# KiCad board Kanagawa_rgb_ansi_pico.kicad_pcb
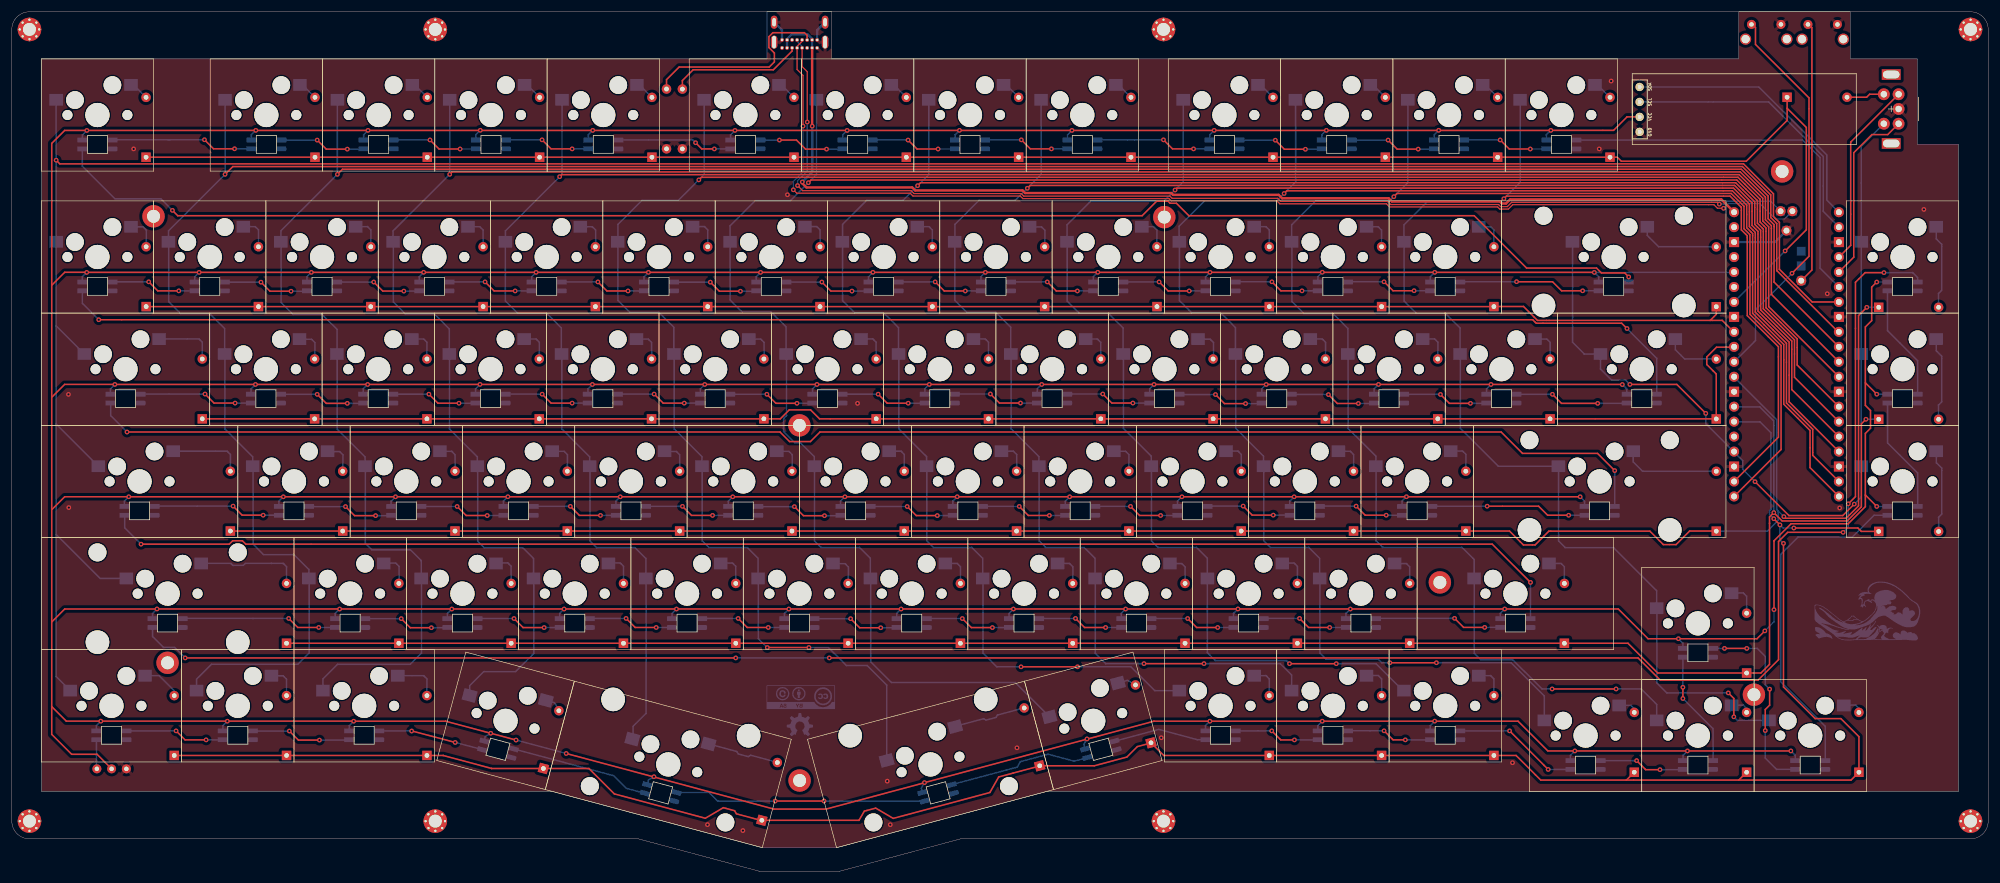
[diagram p0: board, top side]
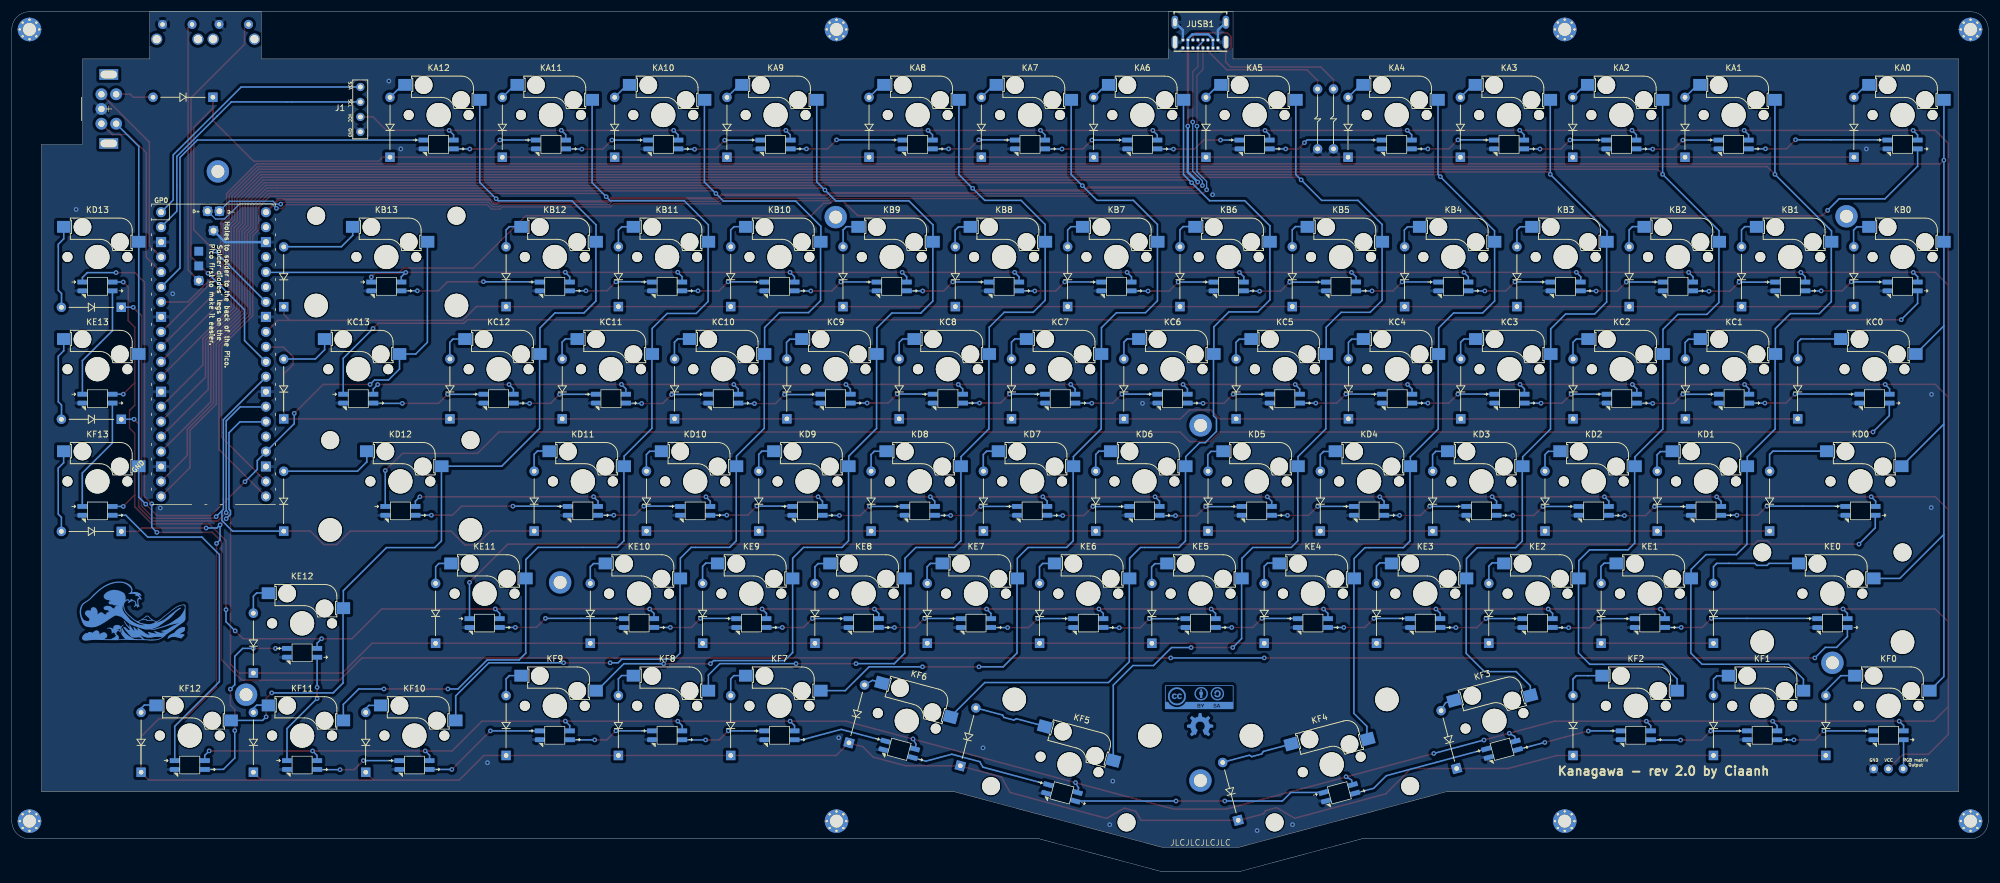
[diagram p1: board, bottom side, seen from below]

Outline 335.23 x 145.9 mm; copper layers: Top, Bottom. Coordinates in mm from the lower left corner of the outline.
Outline path: 0,142.9 arc(0.88,145.02) 3,145.9 332.23,145.9 arc(334.35,145.02) 335.23,142.9 335.23,8.5 arc(334.35,6.38) 332.23,5.5 160.94,5.5 140.42,0 126.76,0 106.23,5.5 3,5.5 arc(0.88,6.38) 0,8.5 0,142.9 ; 5,137.9 128.09,137.9 128.09,145.9 139.09,145.9 139.09,137.9 292.9,137.9 292.9,145.9 311.83,145.9 311.83,137.9 323.23,137.9 323.23,123.4 330.23,123.4 330.23,13.5 175.34,13.5 139.89,4 127.29,4 91.83,13.5 5,13.5 5,137.9
Stack: Top 0.035mm / dielectric 1.51mm FR4 er 4.5 / Bottom 0.035mm

## Placement (name value [footprint] x y rotation side)
DA0  D  [Diode_THT]  24.04 120.11 90 top
DA1  D  [Diode_THT]  52.69 120.11 90 top
DA2  D  [Diode_THT]  71.74 120.11 90 top
DA3  D  [Diode_THT]  90.79 120.11 90 top
DA4  D  [Diode_THT]  109.84 120.11 90 top
DA5  D  [Diode_THT]  133.94 120.11 90 top
DA6  D  [Diode_THT]  152.99 120.11 90 top
DA7  D  [Diode_THT]  172.04 120.11 90 top
DA8  D  [Diode_THT]  191.09 120.11 90 top
DA9  D  [Diode_THT]  215.19 120.11 90 top
DA10  D  [Diode_THT]  234.24 120.11 90 top
DA11  D  [Diode_THT]  253.29 120.11 90 top
DA12  D  [Diode_THT]  272.34 120.11 90 top
DA13  D  [Diode_THT]  300.01 130.13 0 top
DB0  D  [Diode_THT]  24.05 94.75 90 top
DB1  D  [Diode_THT]  43.1 94.75 90 top
DB2  D  [Diode_THT]  62.15 94.75 90 top
DB3  D  [Diode_THT]  81.2 94.75 90 top
DB4  D  [Diode_THT]  100.25 94.75 90 top
DB5  D  [Diode_THT]  119.3 94.75 90 top
DB6  D  [Diode_THT]  138.35 94.75 90 top
DB7  D  [Diode_THT]  157.4 94.75 90 top
DB8  D  [Diode_THT]  176.45 94.75 90 top
DB9  D  [Diode_THT]  195.5 94.75 90 top
DB10  D  [Diode_THT]  214.55 94.75 90 top
DB11  D  [Diode_THT]  233.6 94.75 90 top
DB12  D  [Diode_THT]  252.65 94.75 90 top
DB13  D  [Diode_THT]  290.37 94.73 90 top
DC0  D  [Diode_THT]  33.58 75.7 90 top
DC1  D  [Diode_THT]  52.62 75.7 90 top
DC2  D  [Diode_THT]  71.67 75.7 90 top
DC3  D  [Diode_THT]  90.72 75.7 90 top
DC4  D  [Diode_THT]  109.78 75.7 90 top
DC5  D  [Diode_THT]  128.82 75.7 90 top
DC6  D  [Diode_THT]  147.88 75.7 90 top
DC7  D  [Diode_THT]  166.93 75.7 90 top
DC8  D  [Diode_THT]  185.97 75.7 90 top
DC9  D  [Diode_THT]  205.03 75.7 90 top
DC10  D  [Diode_THT]  224.07 75.7 90 top
DC11  D  [Diode_THT]  243.12 75.7 90 top
DC12  D  [Diode_THT]  262.18 75.7 90 top
DC13  D  [Diode_THT]  290.37 75.68 90 top
DD0  D  [Diode_THT]  38.34 56.65 90 top
DD1  D  [Diode_THT]  57.39 56.65 90 top
DD2  D  [Diode_THT]  76.44 56.65 90 top
DD3  D  [Diode_THT]  95.49 56.65 90 top
DD4  D  [Diode_THT]  114.54 56.65 90 top
DD5  D  [Diode_THT]  133.59 56.65 90 top
DD6  D  [Diode_THT]  152.64 56.65 90 top
DD7  D  [Diode_THT]  171.69 56.65 90 top
DD8  D  [Diode_THT]  190.74 56.65 90 top
DD9  D  [Diode_THT]  209.79 56.65 90 top
DD10  D  [Diode_THT]  228.84 56.65 90 top
DD11  D  [Diode_THT]  247.89 56.65 90 top
DD12  D  [Diode_THT]  290.37 56.63 90 top
DD13  D  [Diode_THT]  315.55 94.47 0 top
DE0  D  [Diode_THT]  47.86 37.6 90 top
DE1  D  [Diode_THT]  66.91 37.6 90 top
DE2  D  [Diode_THT]  85.96 37.6 90 top
DE3  D  [Diode_THT]  105.01 37.6 90 top
DE4  D  [Diode_THT]  124.06 37.6 90 top
DE5  D  [Diode_THT]  143.11 37.6 90 top
DE6  D  [Diode_THT]  162.16 37.6 90 top
DE7  D  [Diode_THT]  181.21 37.6 90 top
DE8  D  [Diode_THT]  200.26 37.6 90 top
DE9  D  [Diode_THT]  219.31 37.6 90 top
DE10  D  [Diode_THT]  238.36 37.6 90 top
DE11  D  [Diode_THT]  264.61 37.6 90 top
DE12  D  [Diode_THT]  295.51 32.55 90 top
DE13  D  [Diode_THT]  315.55 75.46 0 top
DF0  D  [Diode_THT]  28.81 18.55 90 top
DF1  D  [Diode_THT]  47.86 18.55 90 top
DF2  D  [Diode_THT]  71.67 18.55 90 top
DF3  D  [Diode_THT]  91.1 16.05 75 top
DF4  D  [Diode_THT]  128.15 7.25 75 top
DF5  D  [Diode_THT]  175.85 17.16 105 top
DF6  D  [Diode_THT]  194.73 21.07 105 top
DF7  D  [Diode_THT]  214.55 18.55 90 top
DF8  D  [Diode_THT]  233.6 18.55 90 top
DF9  D  [Diode_THT]  252.65 18.55 90 top
DF10  D  [Diode_THT]  276.46 15.7 90 top
DF11  D  [Diode_THT]  295.51 15.7 90 top
DF12  D  [Diode_THT]  314.56 15.7 90 top
DF13  D  [Diode_THT]  315.55 56.42 0 top
G***  oshw_logo  [oshw]  133.67 24.87 180 bottom
G***#2  cc_logo  [cc]  133.82 29.56 180 bottom
J1  Oled128x32  [OLED_128x32_I2C]  274.85 135.37 0 top
J4  Conn_01x03  [conn_3pins]  16.93 17.38 0 top
JUSB1  USB Port  [GCT_USB4085-GF-A_REVA4]  133.62 143.79 0 bottom
KA0  KEY_SW  [SW_Cherry_MX_1.00u_SK6812MINI-E_Hotswap]  5 137.9 0 top
KA1  KEY_SW  [SW_Cherry_MX_1.00u_SK6812MINI-E_Hotswap]  33.65 137.9 0 top
KA2  KEY_SW  [SW_Cherry_MX_1.00u_SK6812MINI-E_Hotswap]  52.7 137.9 0 top
KA3  KEY_SW  [SW_Cherry_MX_1.00u_SK6812MINI-E_Hotswap]  71.75 137.9 0 top
KA4  KEY_SW  [SW_Cherry_MX_1.00u_SK6812MINI-E_Hotswap]  90.8 137.9 0 top
KA5  KEY_SW  [SW_Cherry_MX_1.00u_SK6812MINI-E_Hotswap]  114.9 137.9 0 top
KA6  KEY_SW  [SW_Cherry_MX_1.00u_SK6812MINI-E_Hotswap]  133.95 137.9 0 top
KA7  KEY_SW  [SW_Cherry_MX_1.00u_SK6812MINI-E_Hotswap]  153 137.9 0 top
KA8  KEY_SW  [SW_Cherry_MX_1.00u_SK6812MINI-E_Hotswap]  172.05 137.9 0 top
KA9  KEY_SW  [SW_Cherry_MX_1.00u_SK6812MINI-E_Hotswap]  196.15 137.9 0 top
KA10  KEY_SW  [SW_Cherry_MX_1.00u_SK6812MINI-E_Hotswap]  215.2 137.9 0 top
KA11  KEY_SW  [SW_Cherry_MX_1.00u_SK6812MINI-E_Hotswap]  234.25 137.9 0 top
KA12  KEY_SW  [SW_Cherry_MX_1.00u_SK6812MINI-E_Hotswap]  253.3 137.9 0 top
KB0  KEY_SW  [SW_Cherry_MX_1.00u_SK6812MINI-E_Hotswap]  5 113.8 0 top
KB1  KEY_SW  [SW_Cherry_MX_1.00u_SK6812MINI-E_Hotswap]  24.05 113.8 0 top
KB2  KEY_SW  [SW_Cherry_MX_1.00u_SK6812MINI-E_Hotswap]  43.1 113.8 0 top
KB3  KEY_SW  [SW_Cherry_MX_1.00u_SK6812MINI-E_Hotswap]  62.15 113.8 0 top
KB4  KEY_SW  [SW_Cherry_MX_1.00u_SK6812MINI-E_Hotswap]  81.2 113.8 0 top
KB5  KEY_SW  [SW_Cherry_MX_1.00u_SK6812MINI-E_Hotswap]  100.25 113.8 0 top
KB6  KEY_SW  [SW_Cherry_MX_1.00u_SK6812MINI-E_Hotswap]  119.3 113.8 0 top
KB7  KEY_SW  [SW_Cherry_MX_1.00u_SK6812MINI-E_Hotswap]  138.35 113.8 0 top
KB8  KEY_SW  [SW_Cherry_MX_1.00u_SK6812MINI-E_Hotswap]  157.4 113.8 0 top
KB9  KEY_SW  [SW_Cherry_MX_1.00u_SK6812MINI-E_Hotswap]  176.45 113.8 0 top
KB10  KEY_SW  [SW_Cherry_MX_1.00u_SK6812MINI-E_Hotswap]  195.5 113.8 0 top
KB11  KEY_SW  [SW_Cherry_MX_1.00u_SK6812MINI-E_Hotswap]  214.55 113.8 0 top
KB12  KEY_SW  [SW_Cherry_MX_1.00u_SK6812MINI-E_Hotswap]  233.6 113.8 0 top
KB13  KEY_SW  [SW_Cherry_MX_2.00u_SK6812MINI-E_Hotswap]  252.65 113.8 0 top
KC0  KEY_SW  [SW_Cherry_MX_1.50u_SK6812MINI-E_Hotswap]  5 94.75 0 top
KC1  KEY_SW  [SW_Cherry_MX_1.00u_SK6812MINI-E_Hotswap]  33.58 94.75 0 top
KC2  KEY_SW  [SW_Cherry_MX_1.00u_SK6812MINI-E_Hotswap]  52.62 94.75 0 top
KC3  KEY_SW  [SW_Cherry_MX_1.00u_SK6812MINI-E_Hotswap]  71.67 94.75 0 top
KC4  KEY_SW  [SW_Cherry_MX_1.00u_SK6812MINI-E_Hotswap]  90.72 94.75 0 top
KC5  KEY_SW  [SW_Cherry_MX_1.00u_SK6812MINI-E_Hotswap]  109.78 94.75 0 top
KC6  KEY_SW  [SW_Cherry_MX_1.00u_SK6812MINI-E_Hotswap]  128.82 94.75 0 top
KC7  KEY_SW  [SW_Cherry_MX_1.00u_SK6812MINI-E_Hotswap]  147.88 94.75 0 top
KC8  KEY_SW  [SW_Cherry_MX_1.00u_SK6812MINI-E_Hotswap]  166.93 94.75 0 top
KC9  KEY_SW  [SW_Cherry_MX_1.00u_SK6812MINI-E_Hotswap]  185.97 94.75 0 top
KC10  KEY_SW  [SW_Cherry_MX_1.00u_SK6812MINI-E_Hotswap]  205.03 94.75 0 top
KC11  KEY_SW  [SW_Cherry_MX_1.00u_SK6812MINI-E_Hotswap]  224.07 94.75 0 top
KC12  KEY_SW  [SW_Cherry_MX_1.00u_SK6812MINI-E_Hotswap]  243.12 94.75 0 top
KC13  KEY_SW  [SW_Cherry_MX_1.50u_SK6812MINI-E_Hotswap]  262.18 94.75 0 top
KD0  KEY_SW  [SW_Cherry_MX_1.75u_SK6812MINI-E_Hotswap]  5 75.7 0 top
KD1  KEY_SW  [SW_Cherry_MX_1.00u_SK6812MINI-E_Hotswap]  38.34 75.7 0 top
KD2  KEY_SW  [SW_Cherry_MX_1.00u_SK6812MINI-E_Hotswap]  57.39 75.7 0 top
KD3  KEY_SW  [SW_Cherry_MX_1.00u_SK6812MINI-E_Hotswap]  76.44 75.7 0 top
KD4  KEY_SW  [SW_Cherry_MX_1.00u_SK6812MINI-E_Hotswap]  95.49 75.7 0 top
KD5  KEY_SW  [SW_Cherry_MX_1.00u_SK6812MINI-E_Hotswap]  114.54 75.7 0 top
KD6  KEY_SW  [SW_Cherry_MX_1.00u_SK6812MINI-E_Hotswap]  133.59 75.7 0 top
KD7  KEY_SW  [SW_Cherry_MX_1.00u_SK6812MINI-E_Hotswap]  152.64 75.7 0 top
KD8  KEY_SW  [SW_Cherry_MX_1.00u_SK6812MINI-E_Hotswap]  171.69 75.7 0 top
KD9  KEY_SW  [SW_Cherry_MX_1.00u_SK6812MINI-E_Hotswap]  190.74 75.7 0 top
KD10  KEY_SW  [SW_Cherry_MX_1.00u_SK6812MINI-E_Hotswap]  209.79 75.7 0 top
KD11  KEY_SW  [SW_Cherry_MX_1.00u_SK6812MINI-E_Hotswap]  228.84 75.7 0 top
KD12  KEY_SW  [SW_Cherry_MX_2.25u_SK6812MINI-E_Hotswap]  247.89 75.7 0 top
KD13  KEY_SW  [SW_Cherry_MX_1.00u_SK6812MINI-E_Hotswap]  311.18 113.8 0 top
KE0  KEY_SW  [SW_Cherry_MX_2.25u_SK6812MINI-E_Hotswap]  5 56.65 0 top
KE1  KEY_SW  [SW_Cherry_MX_1.00u_SK6812MINI-E_Hotswap]  47.86 56.65 0 top
KE2  KEY_SW  [SW_Cherry_MX_1.00u_SK6812MINI-E_Hotswap]  66.91 56.65 0 top
KE3  KEY_SW  [SW_Cherry_MX_1.00u_SK6812MINI-E_Hotswap]  85.96 56.65 0 top
KE4  KEY_SW  [SW_Cherry_MX_1.00u_SK6812MINI-E_Hotswap]  105.01 56.65 0 top
KE5  KEY_SW  [SW_Cherry_MX_1.00u_SK6812MINI-E_Hotswap]  124.06 56.65 0 top
KE6  KEY_SW  [SW_Cherry_MX_1.00u_SK6812MINI-E_Hotswap]  143.11 56.65 0 top
KE7  KEY_SW  [SW_Cherry_MX_1.00u_SK6812MINI-E_Hotswap]  162.16 56.65 0 top
KE8  KEY_SW  [SW_Cherry_MX_1.00u_SK6812MINI-E_Hotswap]  181.21 56.65 0 top
KE9  KEY_SW  [SW_Cherry_MX_1.00u_SK6812MINI-E_Hotswap]  200.26 56.65 0 top
KE10  KEY_SW  [SW_Cherry_MX_1.00u_SK6812MINI-E_Hotswap]  219.31 56.65 0 top
KE11  KEY_SW  [SW_Cherry_MX_1.75u_SK6812MINI-E_Hotswap]  238.36 56.65 0 top
KE12  KEY_SW  [SW_Cherry_MX_1.00u_SK6812MINI-E_Hotswap]  276.46 51.6 0 top
KE13  KEY_SW  [SW_Cherry_MX_1.00u_SK6812MINI-E_Hotswap]  311.18 94.75 0 top
KF0  KEY_SW  [SW_Cherry_MX_1.25u_SK6812MINI-E_Hotswap]  5 37.6 0 top
KF1  KEY_SW  [SW_Cherry_MX_1.00u_SK6812MINI-E_Hotswap]  28.81 37.6 0 top
KF2  KEY_SW  [SW_Cherry_MX_1.25u_SK6812MINI-E_Hotswap]  47.86 37.6 0 top
KF3  KEY_SW  [SW_Cherry_MX_1.00u_SK6812MINI-E_Hotswap]  77.01 37.19 345 top
KF4  KEY_SW  [SW_Cherry_MX_2.00u_SK6812MINI-E_Hotswap_Reversed]  95.41 32.26 345 top
KF5  KEY_SW  [SW_Cherry_MX_2.00u_SK6812MINI-E_Hotswap_Reversed]  134.96 22.4 15 top
KF6  KEY_SW  [SW_Cherry_MX_1.00u_SK6812MINI-E_Hotswap]  171.76 32.26 15 top
KF7  KEY_SW  [SW_Cherry_MX_1.00u_SK6812MINI-E_Hotswap]  195.5 37.6 0 top
KF8  KEY_SW  [SW_Cherry_MX_1.00u_SK6812MINI-E_Hotswap]  214.55 37.6 0 top
KF9  KEY_SW  [SW_Cherry_MX_1.00u_SK6812MINI-E_Hotswap]  233.6 37.6 0 top
KF10  KEY_SW  [SW_Cherry_MX_1.00u_SK6812MINI-E_Hotswap]  257.41 32.55 0 top
KF11  KEY_SW  [SW_Cherry_MX_1.00u_SK6812MINI-E_Hotswap]  276.46 32.55 0 top
KF12  KEY_SW  [SW_Cherry_MX_1.00u_SK6812MINI-E_Hotswap]  295.51 32.55 0 top
KF13  KEY_SW  [SW_Cherry_MX_1.00u_SK6812MINI-E_Hotswap]  311.18 75.7 0 top
LogoMiddleBack  LOGO  [Wave_mask]  314.79 43.41 180 bottom
MountBaseTop1  MountingHoleBaseTop1  [MountingHole_2.2mm_M2_Pad_Via]  3 8.5 0 top
MountBaseTop2  MountingHoleBaseTop1  [MountingHole_2.2mm_M2_Pad_Via]  3 142.9 0 top
MountBaseTop3  MountingHoleBaseTop1  [MountingHole_2.2mm_M2_Pad_Via]  71.83 8.5 0 top
MountBaseTop4  MountingHoleBaseTop1  [MountingHole_2.2mm_M2_Pad_Via]  71.83 142.9 0 top
MountBaseTop5  MountingHoleBaseTop1  [MountingHole_2.2mm_M2_Pad_Via]  195.34 8.5 0 top
MountBaseTop6  MountingHoleBaseTop1  [MountingHole_2.2mm_M2_Pad_Via]  195.34 142.9 0 top
MountBaseTop7  MountingHoleBaseTop1  [MountingHole_2.2mm_M2_Pad_Via]  332.23 8.5 0 top
MountBaseTop8  MountingHoleBaseTop1  [MountingHole_2.2mm_M2_Pad_Via]  332.23 142.9 0 top
MountTopMiddle1  MountTopMiddle  [MountingHole_2.2mm_M2_Pad]  26.42 35.38 0 top
MountTopMiddle2  MountTopMiddle  [MountingHole_2.2mm_M2_Pad]  24.04 111.18 0 top
MountTopMiddle3  MountTopMiddle  [MountingHole_2.2mm_M2_Pad]  133.62 15.4 0 top
MountTopMiddle4  MountTopMiddle  [MountingHole_2.2mm_M2_Pad]  133.59 75.69 0 top
MountTopMiddle5  MountTopMiddle  [MountingHole_2.2mm_M2_Pad]  242.22 49.03 0 top
MountTopMiddle6  MountTopMiddle  [MountingHole_2.2mm_M2_Pad]  195.48 111.04 0 top
MountTopMiddle7  MountTopMiddle  [MountingHole_2.2mm_M2_Pad]  295.49 29.97 0 top
MountTopMiddle8  MountTopMiddle  [MountingHole_2.2mm_M2_Pad]  300.27 118.8 0 top
R1  5.1k  [Resistors_THT]  111.05 122.63 90 top
R2  5.1k  [Resistors_THT]  113.74 122.62 90 top
RSW0  -  [SW_RST]  297.57 143.76 0 top
RSW1  -  [SW_RST]  307.15 143.75 0 top
SWA13  Rotary_Encoder_Switch  [RotaryEncoder_EC11-Switch_Horizontal_H15mm]  318.77 129.4 0 top
U0  Pico  [RPi_Pico_TH]  311.51 113.25 180 bottom

## Library data of the parts
JUSB1 = -: MANUFACTURER: Global Connector Technology; MAXIMUM_PACKAGE_HEIGHT: 3.46mm; PARTREV: A4; STANDARD: Manufacturer Recommendations
KA0-KA12 KB0-KB12 KC1-KC12 KD1-KD11 KD13 KE1-KE10 KE12 KE13 KF1 KF3 KF6-KF13 = -: Field4: D?; Field5: SW_PUSH
KB13 KF4 KF5 = -: Field4: D?; Field5: D?
KC0 KC13 KD0 KD12 KE0 KE11 KF0 KF2 = -: Field4: D?
U0 = -: Description: RP2040 microcontroller chip designed by Raspberry Pi in the United Kingdom 2  SPI, 2  I2C, 2  UART, 3  12-bit ADC, 16  controllable PWM channels; Height: 1; Manufacturer_Name: RASPBERRY-PI; Manufacturer_Part_Number: PICO

## Footprints (pads in the part's own frame, mm; a bottom-side part is the same pattern mirrored in y, then rotated)
conn_3pins
  round 1.524 hole 0.762: 1(-2.5,0) 2(0,0) 3(2.5,0)
Diode_THT
  rect 1.6x1.6 hole 0.8: 1(1.1,1.263)
  oval 1.6x1.6 hole 0.8: 2(11.26,1.263)
GCT_USB4085-GF-A_REVA4
  round 0.65 hole 0.4: A1(-2.975,4.025) A4(-2.125,4.025) A5(-1.275,4.025) A6(-0.425,4.025) A7(0.425,4.025) A8(1.275,4.025) A9(2.125,4.025) A12(2.975,4.025) B1(2.975,2.675) B4(2.125,2.675) B5(1.275,2.675) B6(0.425,2.675) B7(-0.425,2.675) B8(-1.275,2.675) B9(-2.125,2.675) B12(-2.975,2.675)
  oval 1.108x2.216 hole 0.6x2.1: P1(-4.325,3.045) P2(4.325,3.045)
  oval 1.108x2.216 hole 0.6x1.4: P3(4.325,-0.335) P4(-4.325,-0.335)
MountingHole_2.2mm_M2_Pad
  round 3.8 hole 2.2: 1(0,0)
MountingHole_2.2mm_M2_Pad_Via
  round 0.7 hole 0.4: 1(-1.65,0) 1(-1.167,1.167) 1(-1.167,-1.167) 1(0,1.65) 1(0,-1.65) 1(1.167,1.167) 1(1.167,-1.167) 1(1.65,0)
  round 4 hole 2.2: 1(0,0)
OLED_128x32_I2C
  round 1.397 hole 0.813: 1(1.25,-9.86) 2(1.25,-7.32) 3(1.25,-4.78) 4(1.25,-2.24)
Resistors_THT
  round 1.6 hole 0.8: 1(0,0)
  oval 1.6x1.6 hole 0.8: 2(10.16,0)
RotaryEncoder_EC11-Switch_Horizontal_H15mm
  round 2 hole 1.1: A(1.25,-2.5) B(1.25,2.5) C(1.25,0) S1(-1.25,2.5) S2(-1.25,-2.5)
  rect 3.2x1.8 hole 2.8x1.3: MP(0,5.85) MP(0,-5.85)
RPi_Pico_TH
  oval 1.7x1.7 hole 1.02: 1(1.61,-1.37) 2(1.61,-3.91) 4(1.61,-8.99) 5(1.61,-11.53) 6(1.61,-14.07) 7(1.61,-16.61) 9(1.61,-21.69) 10(1.61,-24.23) 11(1.61,-26.77) 12(1.61,-29.31) 14(1.61,-34.39) 15(1.61,-36.93) 16(1.61,-39.47) 17(1.61,-42.01) 19(1.61,-47.09) 20(1.61,-49.63) 21(19.39,-49.63) 22(19.39,-47.09) 24(19.39,-42.01) 25(19.39,-39.47) 26(19.39,-36.93) 27(19.39,-34.39) 29(19.39,-29.31) 30(19.39,-26.77) 31(19.39,-24.23) 32(19.39,-21.69) 34(19.39,-16.61) 35(19.39,-14.07) 36(19.39,-11.53) 37(19.39,-8.99) 39(19.39,-3.91) 40(19.39,-1.37)
  rect 1.7x1.7 hole 1.02: 3(1.61,-6.45) 8(1.61,-19.15) 13(1.61,-31.85) 18(1.61,-44.55) 23(19.39,-44.55) 28(19.39,-31.85) 33(19.39,-19.15) 38(19.39,-6.45)
  rect 1.5x1.5 smd: TP1(10.5,-4.5) TP2(11.5,-1.2) TP3(9.5,-1.2) TP4(8,-8) TP5(8,-10.5) TP6(8,-13)
  round 1.7 hole 1: TP1(10.5,-4.5) TP2(11.5,-1.2) TP3(9.5,-1.2) TP6(8,-13)
SW_Cherry_MX_1.00u_SK6812MINI-E_Hotswap
  round 1.7 hole 1.7 unplated: (4.445,-9.525) (14.605,-9.525)
  round 3 hole 3 unplated: (5.715,-6.985) (12.065,-4.445)
  round 4.1 hole 4.1 unplated: (9.525,-9.525)
  rect 2.3x2 smd far side: 1(2.525,-6.945) 2(15.225,-4.405)
  rect 1.7x0.82 smd far side: 3(6.975,-13.775) 4(6.975,-15.275) 6(12.075,-13.775)
  rrect 1.7x0.82 smd far side: 5(12.075,-15.275)
SW_Cherry_MX_1.25u_SK6812MINI-E_Hotswap
  round 1.7 hole 1.7 unplated: (6.826,-9.525) (16.986,-9.525)
  round 3 hole 3 unplated: (8.096,-6.985) (14.446,-4.445)
  round 4.1 hole 4.1 unplated: (11.906,-9.525)
  rect 2.3x2 smd far side: 1(4.906,-6.945) 2(17.606,-4.405)
  rect 1.7x0.82 smd far side: 3(9.356,-13.775) 4(9.356,-15.275) 6(14.456,-13.775)
  rrect 1.7x0.82 smd far side: 5(14.456,-15.275)
SW_Cherry_MX_1.50u_SK6812MINI-E_Hotswap
  round 1.7 hole 1.7 unplated: (9.207,-9.525) (19.367,-9.525)
  round 3 hole 3 unplated: (10.477,-6.985) (16.828,-4.445)
  round 4.1 hole 4.1 unplated: (14.287,-9.525)
  rect 2.3x2 smd far side: 1(7.287,-6.945) 2(19.988,-4.405)
  rect 1.7x0.82 smd far side: 3(11.738,-13.775) 4(11.738,-15.275) 6(16.837,-13.775)
  rrect 1.7x0.82 smd far side: 5(16.837,-15.275)
SW_Cherry_MX_1.75u_SK6812MINI-E_Hotswap
  round 1.7 hole 1.7 unplated: (11.589,-9.525) (21.749,-9.525)
  round 3 hole 3 unplated: (12.859,-6.985) (19.209,-4.445)
  round 4.1 hole 4.1 unplated: (16.669,-9.525)
  rect 2.3x2 smd far side: 1(9.669,-6.945) 2(22.369,-4.405)
  rect 1.7x0.82 smd far side: 3(14.119,-13.775) 4(14.119,-15.275) 6(19.219,-13.775)
  rrect 1.7x0.82 smd far side: 5(19.219,-15.275)
SW_Cherry_MX_2.00u_SK6812MINI-E_Hotswap
  round 3.05 hole 3.05 unplated: (7.15,-2.525) (30.95,-2.525)
  round 4 hole 4 unplated: (7.15,-17.765) (30.95,-17.765)
  round 1.7 hole 1.7 unplated: (13.97,-9.525) (24.13,-9.525)
  round 3 hole 3 unplated: (15.24,-6.985) (21.59,-4.445)
  round 4.1 hole 4.1 unplated: (19.05,-9.525)
  rect 2.3x2 smd far side: 1(12.05,-6.945) 2(24.75,-4.405)
  rect 1.7x0.82 smd far side: 3(16.5,-13.775) 4(16.5,-15.275) 6(21.6,-13.775)
  rrect 1.7x0.82 smd far side: 5(21.6,-15.275)
SW_Cherry_MX_2.00u_SK6812MINI-E_Hotswap_Reversed
  round 4 hole 4 unplated: (7.15,-1.29) (30.95,-1.29)
  round 3.05 hole 3.05 unplated: (7.15,-16.529) (30.95,-16.529)
  round 1.7 hole 1.7 unplated: (13.97,-9.525) (24.13,-9.525)
  round 3 hole 3 unplated: (15.24,-6.985) (21.59,-4.445)
  round 4.1 hole 4.1 unplated: (19.05,-9.525)
  rect 2.3x2 smd far side: 1(12.05,-6.945) 2(24.75,-4.405)
  rect 1.7x0.82 smd far side: 3(16.5,-13.775) 4(16.5,-15.275) 6(21.6,-13.775)
  rrect 1.7x0.82 smd far side: 5(21.6,-15.275)
SW_Cherry_MX_2.25u_SK6812MINI-E_Hotswap
  round 3.05 hole 3.05 unplated: (9.531,-2.525) (33.331,-2.525)
  round 4 hole 4 unplated: (9.531,-17.765) (33.331,-17.765)
  round 1.7 hole 1.7 unplated: (16.351,-9.525) (26.511,-9.525)
  round 3 hole 3 unplated: (17.621,-6.985) (23.971,-4.445)
  round 4.1 hole 4.1 unplated: (21.431,-9.525)
  rect 2.3x2 smd far side: 1(14.431,-6.945) 2(27.131,-4.405)
  rect 1.7x0.82 smd far side: 3(18.881,-13.775) 4(18.881,-15.275) 6(23.981,-13.775)
  rrect 1.7x0.82 smd far side: 5(23.981,-15.275)
SW_RST
  round 1.524 hole 0.762: 1(-2.5,0) 2(2.5,0)
  round 1.9 hole 1.4: 3(-3.5,-2.5) 3(3.5,-2.5)

## Nets
+5V: JUSB1.A4 JUSB1.A9 JUSB1.B4 JUSB1.B9 U0.40
GND: J1.1 J4.3 JUSB1.A1 JUSB1.A12 JUSB1.B1 JUSB1.B12 JUSB1.P1 JUSB1.P2 JUSB1.P3 JUSB1.P4 KA0.5 KA1.5 KA2.5 KA3.5 KA4.5 KA5.5 KA6.5 KA7.5 KA8.5 KA9.5 KA10.5 KA11.5 KA12.5 KB0.5 KB1.5 KB2.5 KB3.5 KB4.5 KB5.5 KB6.5 KB7.5 KB8.5 KB9.5 KB10.5 KB11.5 KB12.5 KB13.5 KC0.5 KC1.5 KC2.5 KC3.5 KC4.5 KC5.5 KC6.5 KC7.5 KC8.5 KC9.5 KC10.5 KC11.5 KC12.5 KC13.5 KD0.5 KD1.5 KD2.5 KD3.5 KD4.5 KD5.5 KD6.5 KD7.5 KD8.5 KD9.5 KD10.5 KD11.5 KD12.5 KD13.5 KE0.5 KE1.5 KE2.5 KE3.5 KE4.5 KE5.5 KE6.5 KE7.5 KE8.5 KE9.5 KE10.5 KE11.5 KE12.5 KE13.5 KF0.5 KF1.5 KF2.5 KF3.5 KF4.5 KF5.5 KF6.5 KF7.5 KF8.5 KF9.5 KF10.5 KF11.5 KF12.5 KF13.5 R1.1 R2.1 RSW0.2 RSW1.2 SWA13.C U0.3 U0.8 U0.13 U0.18 U0.23 U0.28 U0.33 U0.38 U0.TP1
VCC: J1.2 J4.2 KA0.3 KA1.3 KA2.3 KA3.3 KA4.3 KA5.3 KA6.3 KA7.3 KA8.3 KA9.3 KA10.3 KA11.3 KA12.3 KB0.3 KB1.3 KB2.3 KB3.3 KB4.3 KB5.3 KB6.3 KB7.3 KB8.3 KB9.3 KB10.3 KB11.3 KB12.3 KB13.3 KC0.3 KC1.3 KC2.3 KC3.3 KC4.3 KC5.3 KC6.3 KC7.3 KC8.3 KC9.3 KC10.3 KC11.3 KC12.3 KC13.3 KD0.3 KD1.3 KD2.3 KD3.3 KD4.3 KD5.3 KD6.3 KD7.3 KD8.3 KD9.3 KD10.3 KD11.3 KD12.3 KD13.3 KE0.3 KE1.3 KE2.3 KE3.3 KE4.3 KE5.3 KE6.3 KE7.3 KE8.3 KE9.3 KE10.3 KE11.3 KE12.3 KE13.3 KF0.3 KF1.3 KF2.3 KF3.3 KF4.3 KF5.3 KF6.3 KF7.3 KF8.3 KF9.3 KF10.3 KF11.3 KF12.3 KF13.3 U0.36
/IN_A0: KA0.6 KA1.4
/IN_A1: KA1.6 KA2.4
/IN_A2: KA2.6 KA3.4
/IN_A3: KA3.6 KA4.4
/IN_A4: KA4.6 KA5.4
/IN_A5: KA5.6 KA6.4
/IN_A6: KA6.6 KA7.4
/IN_A7: KA7.6 KA8.4
/IN_A8: KA8.6 KA9.4
/IN_A9: KA9.6 KA10.4
/IN_A10: KA10.6 KA11.4
/IN_A11: KA11.6 KA12.4
/IN_B0: KB0.6 KB1.4
/IN_B1: KB1.6 KB2.4
/IN_B2: KB2.6 KB3.4
/IN_B3: KB3.6 KB4.4
/IN_B4: KB4.6 KB5.4
/IN_B5: KB5.6 KB6.4
/IN_B6: KB6.6 KB7.4
/IN_B7: KB7.6 KB8.4
/IN_B8: KB8.6 KB9.4
/IN_B9: KB9.6 KB10.4
/IN_B10: KB10.6 KB11.4
/IN_B11: KB11.6 KB12.4
/IN_B12: KB12.6 KB13.4
/IN_B13: KA0.4 KB13.6
/IN_C0: KC0.6 KC1.4
/IN_C1: KC1.6 KC2.4
/IN_C2: KC2.6 KC3.4
/IN_C3: KC3.6 KC4.4
/IN_C4: KC4.6 KC5.4
/IN_C5: KC5.6 KC6.4
/IN_C6: KC6.6 KC7.4
/IN_C7: KC7.6 KC8.4
/IN_C8: KC8.6 KC9.4
/IN_C9: KC9.6 KC10.4
/IN_C10: KC10.6 KC11.4
/IN_C11: KC11.6 KC12.4
/IN_C12: KC12.6 KC13.4
/IN_C13: KB0.4 KC13.6
/IN_D0: KD0.6 KD1.4
/IN_D1: KD1.6 KD2.4
/IN_D2: KD2.6 KD3.4
/IN_D3: KD3.6 KD4.4
/IN_D4: KD4.6 KD5.4
/IN_D5: KD5.6 KD6.4
/IN_D6: KD6.6 KD7.4
/IN_D7: KD7.6 KD8.4
/IN_D8: KD8.6 KD9.4
/IN_D9: KD9.6 KD10.4
/IN_D10: KD10.6 KD11.4
/IN_D11: KD11.6 KD12.4
/IN_D12: KC0.4 KD12.6
/IN_D13: KD13.6 KE0.4
/IN_E0: KE0.6 KE1.4
/IN_E1: KE1.6 KE2.4
/IN_E2: KE2.6 KE3.4
/IN_E3: KE3.6 KE4.4
/IN_E4: KE4.6 KE5.4
/IN_E5: KE5.6 KE6.4
/IN_E6: KE6.6 KE7.4
/IN_E7: KE7.6 KE8.4
/IN_E8: KE8.6 KE9.4
/IN_E9: KE9.6 KE10.4
/IN_E10: KE10.6 KE11.4
/IN_E11: KD0.4 KE11.6
/IN_E12: KE12.6 KF12.4
/IN_E13: KD13.4 KE13.6
/IN_F0: KF0.6 KF1.4
/IN_F1: KF1.6 KF2.4
/IN_F2: KF2.6 KF3.4
/IN_F3: KF3.6 KF4.4
/IN_F4: KF4.6 KF5.4
/IN_F5: KF5.6 KF6.4
/IN_F6: KF6.6 KF7.4
/IN_F7: KF7.6 KF8.4
/IN_F8: KF8.6 KF9.4
/IN_F9: KF9.6 KF10.4
/IN_F10: KF10.6 KF11.4
/IN_F11: KE12.4 KF11.6
/IN_F12: KF12.6 KF13.4
/IN_F13: KE13.4 KF13.6
/SW99B: DA13.2 SWA13.S1
BOOTSEL: RSW1.1 U0.TP6
col00: KA0.1 KB0.1 KC0.1 KD0.1 KE0.1 KF0.1 U0.7
col01: KA1.1 KB1.1 KC1.1 KD1.1 KE1.1 KF1.1 U0.9
col02: KA2.1 KB2.1 KC2.1 KD2.1 KE2.1 KF2.1 U0.10
col03: KA3.1 KB3.1 KC3.1 KD3.1 KE3.1 KF3.1 U0.11
col04: KA4.1 KB4.1 KC4.1 KD4.1 KE4.1 KF4.1 U0.12
col05: KA5.1 KB5.1 KC5.1 KD5.1 KE5.1 KF5.1 U0.14
col06: KA6.1 KB6.1 KC6.1 KD6.1 KE6.1 KF6.1 U0.15